# Allegro board 08_038702e.brd (continued)
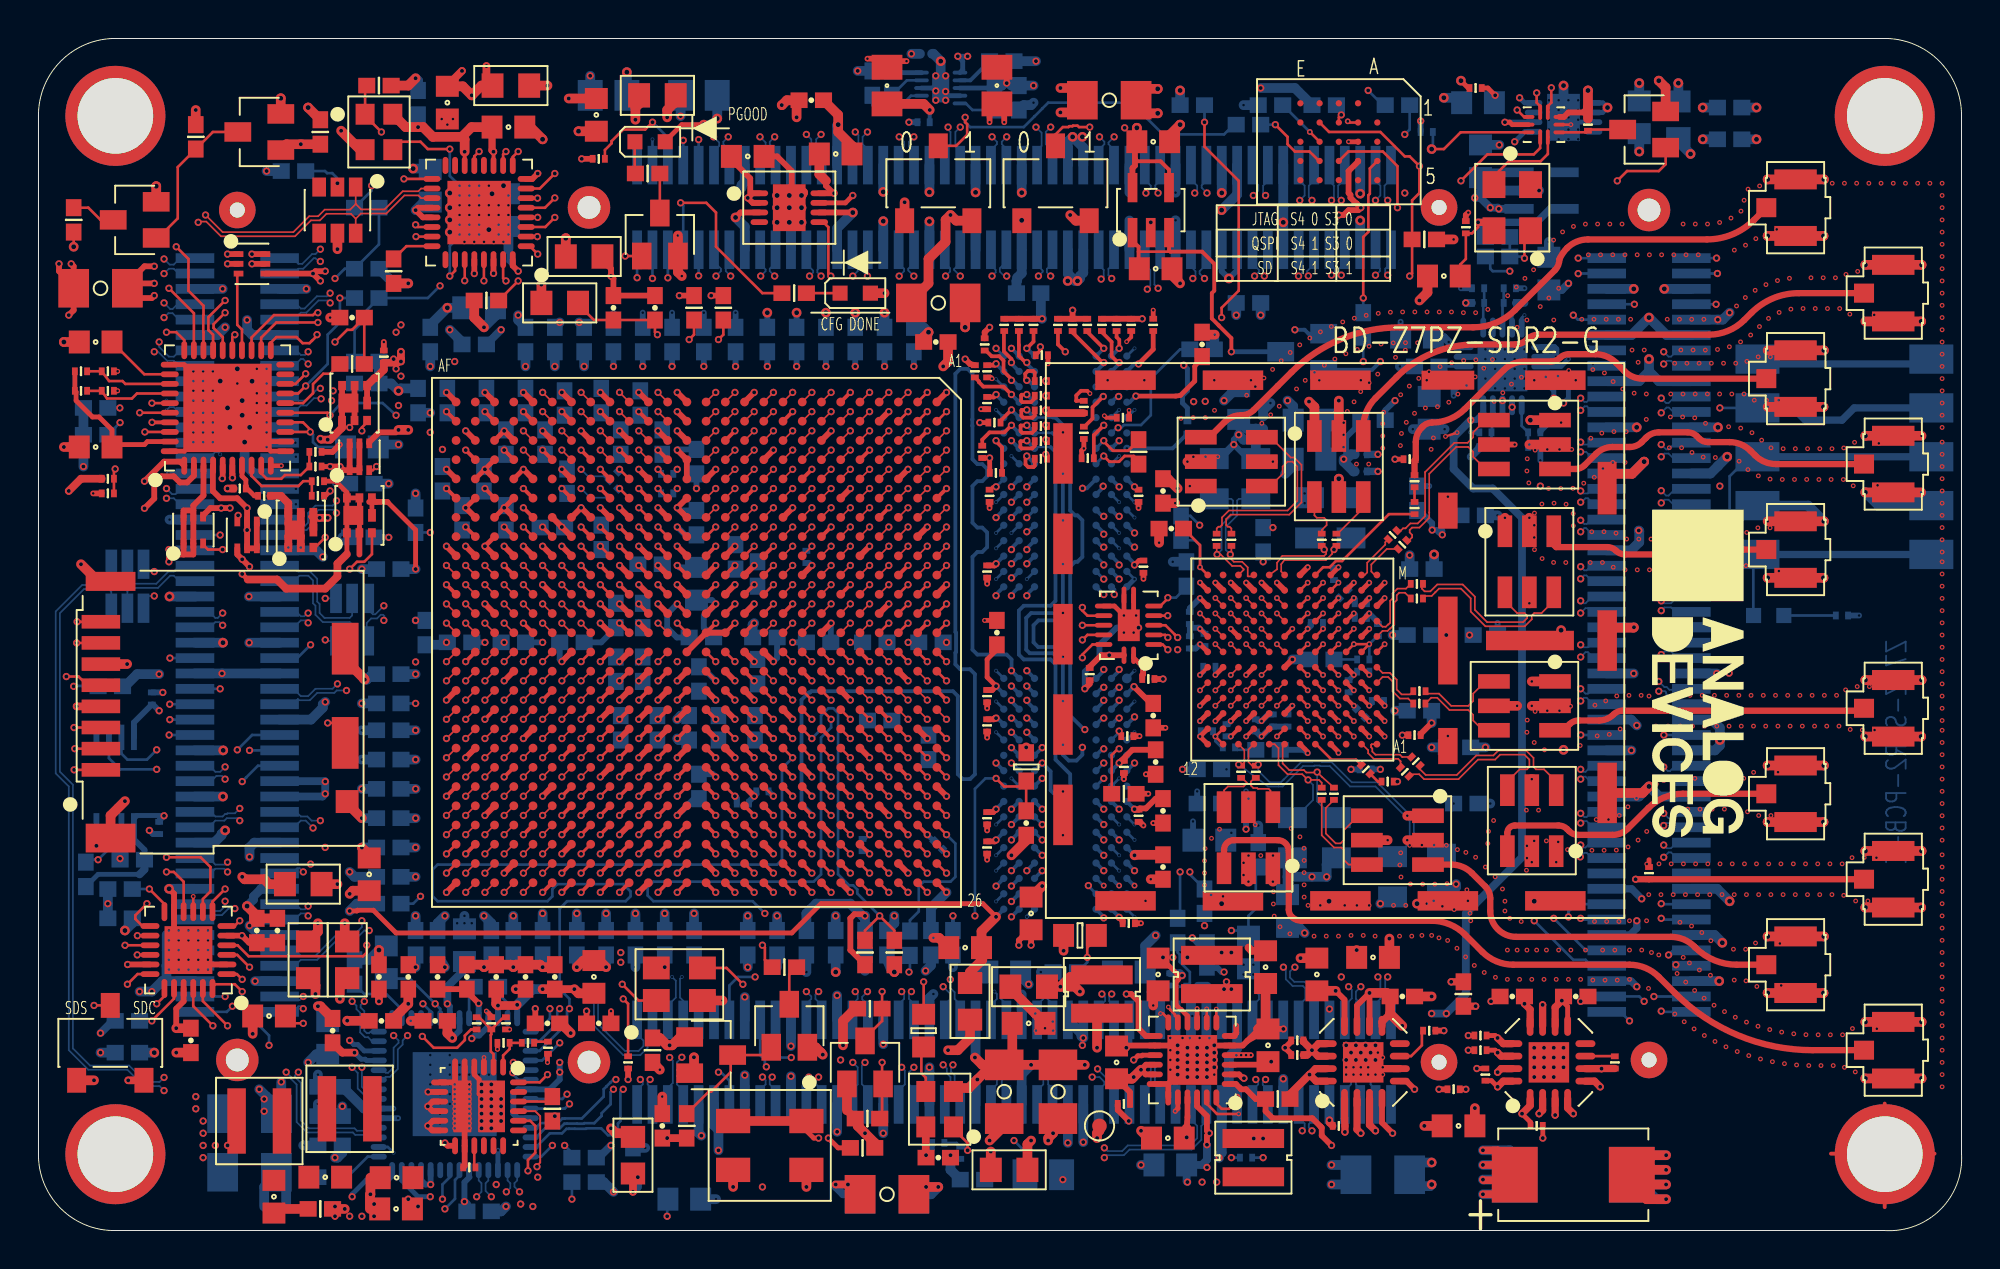
[diagram p0: board, top side]
## Routing (per net, layer and track width the routed paths; a pad name or vN(x,y) marks a point on that pad's centre or on a via; arc(x,y) is an arc through that point) (continued)
IO_L18_34_JX4_N: length 72.1
  TOP w0.089: U1.A7 v1(47.22,37.59)
  L6_SIG w0.089: v1(47.22,37.59) 47.06,37.43 46.8,37.43 46.74,37.5 46.74,37.75 46.94,37.95 47.57,37.95 48.21,37.32 49.43,37.32 49.81,37.7 50.29,37.7 50.45,37.54 51.53,37.54 51.69,37.7 57.73,37.7 58.49,36.94 60.16,36.94 60.24,37.02 60.52,37.02 60.6,36.94 70.05,36.94 71.32,35.67 72.67,35.67 72.75,35.59 72.77,35.59 75.74,32.62 77.54,32.62 77.78,32.39 77.78,31.46 77.54,31.22 75.64,31.22 75.11,30.69 75.11,29.34 75.64,28.81 79.19,28.81 79.43,28.58 79.43,27.52 79.19,27.29 75.64,27.29 75.11,26.76 75.11,26.11 75.64,25.58 77.67,25.58 77.9,25.35 77.9,24.6 77.67,24.37 75.36,24.37 74.98,23.98 74.98,23.1 75.36,22.71 77.01,22.71 77.4,22.33 77.4,20.3 77.78,19.92 78.54,19.92 78.92,20.3 78.92,23.22 79.3,23.6 80.06,23.6 v1(80.19,23.48)
  BOTTOM w0.089: v1(80.19,23.48) 80.32,23.6 80.44,23.6 80.68,23.37 JX4.70
IO_L18_34_JX4_P: length 72.2
  TOP w0.089: U1.B7 v1(46.22,37.59)
  L6_SIG w0.089: v1(46.22,37.59) 46.84,38.21 47.68,38.21 48.31,37.57 49.33,37.57 49.71,37.95 50.22,37.95 50.26,37.99 50.26,38.02 50.45,38.21 51.53,38.21 51.79,37.95 57.84,37.95 58.6,37.19 60.05,37.19 60.13,37.27 60.62,37.27 60.7,37.19 70.16,37.19 71.43,35.92 72.78,35.92 72.86,35.85 72.88,35.85 75.85,32.87 77.65,32.87 78.03,32.49 78.03,31.35 77.65,30.97 75.74,30.97 75.36,30.59 75.36,29.45 75.74,29.06 79.3,29.06 79.68,28.68 79.68,27.41 79.3,27.03 75.74,27.03 75.36,26.65 75.36,26.22 75.74,25.84 77.78,25.84 78.16,25.45 78.16,24.49 77.78,24.11 75.47,24.11 75.24,23.88 75.24,23.2 75.47,22.97 77.12,22.97 77.65,22.44 77.65,20.41 77.88,20.17 78.43,20.17 78.67,20.41 78.67,23.33 79.19,23.86 80.06,23.86 v1(80.19,23.98)
  BOTTOM w0.089: JX4.68 80.76,24.17 80.44,23.86 80.32,23.86 v1(80.19,23.98)
IO_L18_35_TX_D5_N: length 29.6
  TOP w0.089: v6(63.6,28.89) U17.F8 ; U1.A17 v1(47.22,26.59)
  L15_SIG w0.089: v6(63.6,28.89) 63.6,28.56 63.71,28.45 63.81,28.45 63.9,28.52 63.9,28.57 64.13,28.81 64.57,28.81 65.31,28.07 65.31,27.68 65.31,27.68 65.31,27.6 65.5,27.42 65.5,27.17 65.31,26.98 65.31,26.4 64.95,26.04 64.95,24.75 62.41,22.21 58.75,22.21 58.63,22.33 52.4,22.33 50.75,23.98 50.45,23.98 50.26,24.17 50.26,24.48 49.35,25.38 49.22,25.38 47.64,26.96 46.84,26.96 46.78,26.9 46.78,26.66 46.92,26.52 47.15,26.52 v1(47.22,26.59)
IO_L18_35_TX_D5_P: length 28.3
  TOP w0.089: v6(64.4,28.09) U17.E7 ; U1.B17 v1(46.22,26.59)
  L15_SIG w0.089: v6(64.4,28.09) 64.15,28.34 64.15,28.47 64.24,28.56 64.44,28.56 65.05,27.94 65.05,27.57 64.9,27.42 64.9,27.17 65.05,27.01 65.05,26.5 64.7,26.14 64.7,24.85 62.3,22.46 58.86,22.46 58.73,22.59 52.5,22.59 50.93,24.16 50.93,24.45 50.73,24.65 50.44,24.65 49.46,25.64 49.33,25.64 47.75,27.22 46.59,27.22 46.22,26.84 v1(46.22,26.59)
IO_L19_12_JX2_N: length 74.3
  TOP w0.089: U1.AA17 v1(26.22,26.59)
  L15_SIG w0.089: v1(26.22,26.59) 26.28,26.52 26.47,26.52 26.53,26.46 26.53,26.33 26.41,26.22 25.6,26.22 25.57,26.25 23.04,26.25 22.55,25.76 22.55,25.45 22.53,25.43 22.53,24.75 22.55,24.73 22.55,17.45 22.35,17.25 22.3,17.25 21.77,16.72 21.77,11.94 22.81,10.9 27.52,10.9 28.02,10.4 29.77,10.4 32.18,7.98 32.18,5.13 32.1,5.05 32.1,4.56 32.18,4.48 32.18,4.43 35.23,1.38 63.28,1.38 64.93,3.03 65.05,3.03 65.38,3.36 65.38,3.36 66.22,4.19 v1(66.22,5.19)
  BOTTOM w0.089: v1(66.22,5.19) 66.05,5.35 66.05,5.53 66.33,5.8 JX2.90
IO_L19_12_JX2_P: length 74.4
  TOP w0.089: U1.Y17 v1(27.22,26.59)
  L15_SIG w0.089: v1(65.71,5.19) 65.46,5.19 65.33,5.06 65.33,4.81 65.46,4.68 65.71,4.68 65.97,4.43 65.97,4.3 64.95,3.28 64.82,3.28 63.17,1.63 35.34,1.63 32.44,4.53 32.44,4.59 32.36,4.67 32.36,4.95 32.44,5.03 32.44,8.09 29.88,10.65 28.13,10.65 27.62,11.16 22.91,11.16 22.02,12.05 22.02,16.62 22.4,17 22.46,17 22.81,17.34 22.81,24.83 22.79,24.85 22.79,25.32 22.81,25.34 22.81,25.66 23.15,26 25.46,26 25.5,25.96 26.52,25.96 26.79,26.23 26.79,26.52 26.85,26.59 v1(27.22,26.59)
  BOTTOM w0.089: v1(65.71,5.19) 65.84,5.32 65.84,5.57 65.53,5.88 JX2.88
IO_L19_13_JX2_N: length 74
  TOP w0.089: U1.Y20 v1(27.22,23.59)
  L15_SIG w0.089: v1(27.22,23.59) 27.35,23.45 27.48,23.45 27.59,23.35 27.59,22.46 27.31,22.18 26.97,22.18 26.55,21.76 26.55,21.45 26.29,21.19 25.96,21.19 25.58,20.81 25.58,17.48 25.55,17.46 25.55,17.45 25.07,16.97 25.07,15.37 26.11,14.33 29.11,14.33 29.75,14.97 31.06,14.97 31.7,14.33 37.14,14.33 39.17,12.3 39.17,10.03 39.46,9.73 39.46,9.49 40.42,8.53 40.8,8.53 42.36,6.97 43.97,6.97 44.73,7.73 45.92,7.73 46.15,7.5 46.15,5.85 46.68,5.32 47.78,5.32 48.31,5.85 48.31,9.99 47.78,10.52 40.92,10.52 40.69,10.75 40.69,11.06 40.92,11.28 49.22,11.28 49.46,11.05 49.46,10.16 49.98,9.63 50.6,9.63 51.36,10.4 55.17,10.4 55.81,11.03 v1(55.81,12.3)
  BOTTOM w0.089: v1(55.81,12.3) 55.68,12.17 55.68,11.92 55.93,11.67 JX2.63
IO_L19_13_JX2_P: length 74
  TOP w0.089: U1.W20 v1(28.22,23.59)
  L15_SIG w0.089: v1(28.22,23.59) 27.84,23.22 27.84,22.36 27.41,21.92 27.08,21.92 26.88,21.73 26.88,21.42 26.4,20.94 26.07,20.94 25.83,20.7 25.83,17.38 25.81,17.35 25.81,17.34 25.33,16.86 25.33,15.48 26.21,14.59 29.01,14.59 29.64,15.22 31.17,15.22 31.8,14.59 37.24,14.59 39.42,12.41 39.42,10.13 39.72,9.84 39.72,9.59 40.52,8.79 40.9,8.79 42.47,7.22 43.87,7.22 44.63,7.98 46.03,7.98 46.41,7.6 46.41,5.95 46.79,5.57 47.68,5.57 48.06,5.95 48.06,9.89 47.68,10.27 40.81,10.27 40.44,10.64 40.44,11.17 40.81,11.54 49.33,11.54 49.71,11.16 49.71,10.27 50.09,9.89 50.49,9.89 51.25,10.65 55.06,10.65 55.55,11.14 55.55,11.41 55.3,11.67 55.04,11.67 54.92,11.79 54.92,11.92 54.98,11.98 55.36,11.98 55.42,12.05 55.42,12.17 v1(55.3,12.3)
  BOTTOM w0.089: JX2.61 55.13,11.61 55.46,11.94 55.46,12.14 v1(55.3,12.3)
IO_L19_33_JX1_N: length 73
  TOP w0.089: U1.L7 v1(37.22,37.59)
  L18_SIG w0.089: v1(37.22,37.59) 36.84,37.96 36.84,40.54 36.81,40.58 36.81,44.34 37.02,44.56 37.33,44.56 37.55,44.34 37.55,32.35 37.91,31.99 38.43,31.99 38.44,32 38.46,32 38.81,32.34 38.81,43.82 39.09,44.1 39.09,46.21 38.83,46.46 37.77,46.46 37.52,46.21 37.52,45.96 37.26,45.7 35.21,45.7 34.82,46.1 34.82,46.35 34.47,46.7 34.47,48.75 34.09,49.13 34.09,49.42 33.99,49.51 33.99,49.79 34.09,49.89 34.09,53.19 34.34,53.45 35.34,53.45 35.59,53.19 35.59,51.82 36.12,51.29 41.09,51.29 41.2,51.18 41.2,50.38 41.09,50.27 36.9,50.27 36.5,49.87 36.5,49.28 35.82,48.6 35.82,47.63 36.35,47.1 37.61,47.1 37.63,47.08 38.17,47.08 38.55,47.46 38.55,48.45 38.04,48.96 38.04,49.4 v1(38.28,49.64)
  BOTTOM w0.089: v1(38.28,49.64) 38.03,49.89 38.03,50.02 38.33,50.32 JX1.20
IO_L19_33_JX1_P: length 73
  TOP w0.089: U1.M7 v1(36.22,37.59)
  L18_SIG w0.089: v1(36.22,37.59) 36.59,37.96 36.59,40.44 36.55,40.47 36.55,44.45 36.92,44.81 37.44,44.81 37.81,44.45 37.81,32.45 38.02,32.24 38.32,32.24 38.33,32.25 38.35,32.25 38.55,32.45 38.55,43.73 38.53,43.75 38.53,43.9 38.83,44.2 38.83,46.1 38.73,46.21 37.88,46.21 37.77,46.1 37.77,45.85 37.37,45.45 35.1,45.45 34.56,45.99 34.56,46.24 34.22,46.59 34.22,48.64 33.83,49.03 33.83,49.31 33.74,49.41 33.74,49.9 33.83,50 33.83,53.3 34.24,53.7 35.44,53.7 35.85,53.3 35.85,51.92 36.23,51.54 41.2,51.54 41.45,51.29 41.45,50.27 41.2,50.02 37.01,50.02 36.76,49.77 36.76,49.18 36.07,48.5 36.07,47.73 36.45,47.35 37.71,47.35 37.73,47.33 38.06,47.33 38.3,47.57 38.3,48.35 37.79,48.86 37.79,49.4 v1(37.56,49.64)
  BOTTOM w0.089: JX1.18 37.53,50.26 37.81,49.98 37.81,49.89 v1(37.56,49.64)
IO_L19_34_JX4_N: length 73.3
  TOP w0.089: U1.C3 v1(45.22,41.59)
  L6_SIG w0.089: v1(45.22,41.59) 45.59,41.22 49.45,41.22 49.65,41.41 52.19,41.41 52.24,41.47 52.52,41.47 52.73,41.26 55.04,41.26 55.2,41.41 57.17,41.41 57.33,41.26 60.76,41.26 61.9,42.4 63.04,42.4 63.93,41.51 74.45,41.51 75.21,40.75 77.5,40.75 78.14,41.38 79.58,41.38 79.83,41.64 81.44,41.64 81.7,41.37 83.75,41.37 84.01,41.64 85.14,41.64 85.4,41.38 87.15,41.38 87.16,41.37 87.5,41.37 87.51,41.38 88.95,41.38 89.33,41 89.33,21.7 88.7,21.06 v1(84.51,21.06)
  BOTTOM w0.089: JX4.75 85.11,20.97 84.89,21.19 84.63,21.19 v1(84.51,21.06)
IO_L19_34_JX4_P: length 73.2
  TOP w0.089: U1.C4 v1(45.22,40.59)
  L6_SIG w0.089: v1(45.22,40.59) 45.59,40.96 49.43,40.96 49.65,40.74 52.5,40.74 52.76,41 54.99,41 55.25,40.74 57.13,40.74 57.39,41 60.86,41 62.01,42.15 62.94,42.15 63.83,41.26 74.35,41.26 75.11,40.49 77.61,40.49 78.24,41.13 79.68,41.13 79.94,41.38 81.33,41.38 81.6,41.12 83.85,41.12 84.12,41.38 85.04,41.38 85.29,41.13 87.05,41.13 87.06,41.12 87.6,41.12 87.61,41.13 88.85,41.13 89.08,40.9 89.08,21.8 88.59,21.32 85.27,21.32 85.14,21.44 85.14,21.83 85.02,21.95 84.76,21.95 v1(84.51,21.7)
  BOTTOM w0.089: JX4.73 85.22,21.77 84.89,21.44 84.76,21.44 v1(84.51,21.7)
IO_L19_35_CTRL_OUT0: length 27.6
  TOP w0.14: U1.D13 v1(44.22,31.59) ; v6(67.6,27.29) U17.D4
  L14_SIG w0.095: v6(67.6,27.29) 67.22,27.29 66.92,27.59 66.8,27.59 66.3,28.1 66.3,28.22 66.12,28.39 66,28.39 65.71,28.68 64.61,28.68 64.52,28.59 59.11,28.59 58.61,29.09 58.61,29.18 57.33,30.46 55.93,30.46 55.91,30.48 55.45,30.48 55.42,30.46 55.3,30.46 54.62,29.78 54.62,29.65 54.42,29.45 54.28,29.45 54.28,29.45 52.25,29.45 51.77,29.93 47.19,29.93 46.41,30.72 45.57,30.72 45.36,30.93 44.88,30.93 v1(44.22,31.59)
IO_L19_35_CTRL_OUT1: length 25.6
  TOP w0.14: v6(67.6,28.09) U17.E4 ; U1.C13 v1(45.22,31.59)
  L14_SIG w0.095: v6(67.6,28.09) 67.22,28.09 66.92,28.39 66.76,28.39 66.3,28.86 66.3,29.02 66.12,29.19 65.96,29.19 65.84,29.32 58.85,29.32 58.53,29.65 58.49,29.65 58.16,29.97 58.16,30.01 57.49,30.68 57.11,30.68 57.08,30.72 54.92,30.72 54.49,30.29 53.46,30.29 53.42,30.33 48.06,30.33 47.3,31.1 45.71,31.1 v1(45.22,31.59)
IO_L20_12_JX2_N: length 72.6
  TOP w0.089: U1.AB16 v1(25.22,27.59)
  L14_SIG w0.089: v1(25.22,27.59) 25.59,27.22 26.54,27.22 26.88,26.88 26.88,26.45 27.08,26.25 27.48,26.25 27.81,25.93 27.81,19.32 27.95,19.18 28.46,19.18 28.88,18.76 28.88,18.45 29.15,18.18 46.46,18.18 46.88,17.76 46.88,17.45 47.37,16.96 47.8,16.96 48.14,16.61 48.14,16.28 49.2,15.22 49.58,14.84 50.14,14.84 50.73,15.43 52.61,15.43 52.82,15.22 53.9,15.22 54.28,14.84 58.35,14.84 58.73,15.22 58.73,18.27 58.6,18.4 58.6,20.3 58.98,20.68 61.65,20.68 62.16,20.17 65.33,20.17 65.71,19.79 65.71,18.27 66.09,17.89 67.85,17.89 68.38,17.36 68.38,16.39 67.85,15.86 65.33,15.86 64.95,15.48 64.95,14.33 64.99,14.29 64.99,14.04 v1(65.33,13.7)
  BOTTOM w0.089: v1(65.33,13.7) 65.3,13.7 65.08,13.47 65.08,13.16 65.3,12.94 65.84,12.94 66.09,12.68 66.09,12.05 66.33,11.81 JX2.89
IO_L20_12_JX2_P: length 72.6
  TOP w0.089: U1.AB17 v1(25.22,26.59)
  L14_SIG w0.089: v1(64.73,13.7) 64.73,14.19 64.7,14.23 64.7,15.58 65.22,16.11 67.74,16.11 68.12,16.49 68.12,17.25 67.74,17.63 65.99,17.63 65.46,18.16 65.46,19.69 65.22,19.92 62.05,19.92 61.54,20.43 59.09,20.43 58.85,20.2 58.85,18.5 58.98,18.37 58.98,15.12 58.45,14.59 54.18,14.59 53.79,14.97 52.71,14.97 52.5,15.18 50.84,15.18 50.25,14.59 49.48,14.59 49.21,14.85 49.02,15.04 47.89,16.18 47.89,16.5 47.69,16.7 47.27,16.7 46.62,17.34 46.62,17.66 46.35,17.93 29.04,17.93 28.62,18.34 28.62,18.66 28.35,18.93 27.84,18.93 27.55,19.22 27.55,25.82 27.38,26 26.97,26 26.62,26.34 26.62,26.77 26.43,26.96 25.48,26.96 25.37,27.08 25.11,27.08 25.05,27.01 25.05,26.75 v1(25.22,26.59)
  BOTTOM w0.089: JX2.87 65.53,11.7 65.88,12.05 65.88,12.59 65.75,12.72 65.21,12.72 64.86,13.07 64.86,13.57 v1(64.73,13.7)
IO_L20_13_JX2_N: length 72.9
  TOP w0.089: U1.AB20 v1(25.22,23.59)
  L15_SIG w0.089: v1(55.07,8.41) 55.81,7.67 55.81,5.82 55.42,5.44 50.73,5.44 50.34,5.06 50.34,4.3 50.73,3.92 52.76,3.92 53.14,3.54 53.14,3 52.54,2.39 47.14,2.39 46.93,2.6 46.01,2.6 45.82,2.41 45.82,2.4 45.81,2.39 42.62,2.39 42.24,2.78 35.36,2.78 32.95,5.19 32.95,6.97 33.33,7.35 33.71,7.35 34.22,6.84 34.72,6.84 34.98,7.09 34.98,7.2 35.99,8.21 35.99,9.66 35.47,10.18 35.16,10.18 34.57,10.78 30.66,10.78 29.47,11.96 25.56,11.96 25.33,12.2 25.33,12.7 25.09,12.94 23.04,12.94 22.53,13.44 22.53,16.6 23.06,17.13 23.32,17.13 23.55,17.36 23.55,17.73 23.55,17.73 23.55,18.44 23.55,18.45 23.55,18.73 23.55,18.73 23.55,19.44 23.55,19.45 23.55,19.73 23.55,19.73 23.55,20.44 23.55,20.45 23.55,20.73 23.55,20.73 23.55,21.44 23.55,21.45 23.55,21.83 23.93,22.21 25.31,22.21 25.59,22.49 25.59,23.22 v1(25.22,23.59)
  BOTTOM w0.089: v1(55.07,8.41) 55.07,8.39 55.64,7.82 55.64,7.66 55.93,7.38 JX2.64
IO_L20_13_JX2_P: length 72.9
  TOP w0.089: U1.AA20 v1(26.22,23.59)
  L15_SIG w0.089: v1(54.79,7.98) 54.54,7.73 54.54,7.47 54.67,7.34 55.04,7.34 55.1,7.41 55.1,7.66 55.22,7.77 55.34,7.77 55.55,7.57 55.55,5.93 55.32,5.7 50.62,5.7 50.09,5.17 50.09,4.19 50.62,3.66 52.65,3.66 52.88,3.43 52.88,3.1 52.43,2.65 47.24,2.65 47.03,2.86 45.91,2.86 45.7,2.65 42.72,2.65 42.34,3.03 35.46,3.03 33.2,5.29 33.2,6.86 33.43,7.09 33.6,7.09 34.11,6.59 34.83,6.59 35.23,6.99 35.23,7.09 36.25,8.11 36.25,9.76 35.57,10.43 35.27,10.43 34.67,11.03 30.76,11.03 29.58,12.22 25.66,12.22 25.58,12.3 25.58,12.81 25.2,13.19 23.14,13.19 22.79,13.55 22.79,16.49 23.17,16.87 23.42,16.87 23.81,17.25 23.81,17.83 23.8,17.84 23.8,18.34 23.81,18.34 23.81,18.83 23.8,18.84 23.8,19.34 23.81,19.34 23.81,19.83 23.8,19.84 23.8,20.34 23.81,20.34 23.81,20.83 23.8,20.84 23.8,21.34 23.81,21.34 23.81,21.72 24.03,21.95 25.41,21.95 25.84,22.38 25.84,23.31 25.96,23.43 26.05,23.43 v1(26.22,23.59)
  BOTTOM w0.089: JX2.62 55.13,7.3 55.42,7.6 55.42,7.73 55.17,7.98 v1(54.79,7.98)
IO_L20_33_JX1_N: length 72.1
  TOP w0.089: U1.J5 v1(39.22,39.59)
  L3_SIG w0.089: v1(40.69,57) 40.44,56.75 40.44,55.2 40.67,54.97 41.58,54.97 41.96,54.59 41.96,54.19 41.96,54.19 41.96,53.7 41.96,53.7 41.96,53.13 41.94,53.11 41.94,52.77 42.18,52.54 42.51,52.54 42.72,52.76 43.27,52.76 43.66,53.15 44.89,53.15 44.9,53.14 45.18,53.14 45.18,53.15 45.72,53.15 45.98,53.4 50.75,53.4 50.79,53.45 54.41,53.45 54.79,53.83 54.79,54.85 55.17,55.23 61.65,55.23 62.03,55.61 62.03,57.01 62.4,57.39 62.93,57.39 63.3,57.01 63.3,54.46 62.79,53.96 62.79,53.52 63,53.31 63,52.99 63.43,52.57 63.43,52.18 63.04,51.8 46.28,51.8 43.34,48.85 41.96,48.85 41.71,48.6 41.71,46.21 39.85,44.35 39.5,44.35 38.88,43.73 38.88,39.92 v1(39.22,39.59)
  BOTTOM w0.089: v1(40.69,57) 40.44,56.75 40.44,56.5 40.73,56.21 JX1.25
IO_L20_33_JX1_P: length 72.1
  TOP w0.089: U1.K5 v1(38.22,39.59)
  L3_SIG w0.089: v1(38.22,39.59) 38.62,40 38.62,43.83 39.39,44.6 39.74,44.6 41.45,46.31 41.45,48.71 41.86,49.11 43.23,49.11 46.17,52.05 62.94,52.05 63.17,52.28 63.17,52.46 62.75,52.89 62.75,53.21 62.54,53.42 62.54,54.06 63.04,54.57 63.04,56.91 62.82,57.13 62.51,57.13 62.28,56.91 62.28,55.5 61.75,54.97 55.28,54.97 55.04,54.74 55.04,53.72 54.51,53.19 50.9,53.19 50.85,53.15 46.09,53.15 45.83,52.89 45.29,52.89 45.28,52.89 44.79,52.89 44.79,52.89 43.76,52.89 43.37,52.5 42.83,52.5 42.61,52.29 42.07,52.29 41.69,52.67 41.69,53.21 41.71,53.23 41.71,53.8 41.71,54.08 41.71,54.09 41.71,54.49 41.48,54.72 40.57,54.72 40.18,55.1 40.18,56.75 v1(39.93,57)
  BOTTOM w0.089: v1(39.93,57) 40.18,56.75 40.18,56.5 39.93,56.24 JX1.23
IO_L20_34_JX4_N: length 73.4
  TOP w0.089: U1.B4 v1(46.22,40.59)
  L6_SIG w0.089: v1(46.22,40.59) 46.59,40.22 48.14,40.22 48.37,39.99 49.17,39.99 49.32,39.84 49.59,39.84 49.74,39.99 50.41,39.99 50.45,39.94 51.53,39.94 51.58,39.99 55.21,39.99 55.25,39.94 58.22,39.94 58.49,40.22 59.11,40.22 59.47,39.86 61.38,39.86 61.74,40.22 66.86,40.22 67.32,39.75 68.74,39.75 69.52,38.97 76.89,38.97 77.4,39.48 78.75,39.48 79.17,39.05 81.5,39.05 83.02,37.54 84.2,37.54 84.24,37.5 85.27,37.5 85.65,37.12 85.65,36.03 85.27,35.65 84.11,35.65 83.87,35.41 83.87,33.89 84.25,33.51 85.78,33.51 86.16,33.13 86.16,31.6 85.78,31.22 83.72,31.22 83.49,30.99 83.49,29.68 83.72,29.45 86.39,29.45 86.92,28.92 86.92,26.67 86.39,26.14 84.25,26.14 83.87,25.76 83.87,23.88 81.11,21.12 80.55,21.12 80.48,21.19 v1(80.19,21.19)
  BOTTOM w0.089: JX4.76 80.83,20.97 80.51,21.29 80.29,21.29 v1(80.19,21.19)
IO_L20_34_JX4_P: length 73.4
  TOP w0.089: U1.B5 v1(46.22,39.59)
  L6_SIG w0.089: v1(80.19,21.7) 80.44,21.44 81.08,21.44 83.62,23.98 83.62,25.87 84.15,26.4 86.29,26.4 86.67,26.78 86.67,28.81 86.29,29.19 83.62,29.19 83.24,29.57 83.24,31.1 83.62,31.48 85.67,31.48 85.9,31.71 85.9,33.02 85.67,33.26 84.15,33.26 83.62,33.79 83.62,35.52 84,35.9 85.16,35.9 85.4,36.14 85.4,37.02 85.16,37.25 84.14,37.25 84.1,37.29 82.91,37.29 81.4,38.8 79.07,38.8 78.64,39.22 77.5,39.22 76.99,38.72 69.42,38.72 68.63,39.5 67.22,39.5 66.75,39.96 61.84,39.96 61.49,39.61 59.36,39.61 59.01,39.96 58.6,39.96 58.33,39.69 55.15,39.69 55.1,39.73 51.68,39.73 51.64,39.69 50.35,39.69 50.3,39.73 49.85,39.73 49.7,39.59 49.21,39.59 49.06,39.73 48.27,39.73 48.04,39.96 46.48,39.96 46.31,40.14 46.05,40.14 45.9,39.99 45.9,39.9 v1(46.22,39.59)
  BOTTOM w0.089: JX4.74 80.77,21.77 80.51,21.51 80.38,21.51 v1(80.19,21.7)
IO_L20_35_CTRL_OUT2: length 27.6
  TOP w0.14: v6(66.8,28.09) U17.E5 ; U1.C14 v1(45.22,29.59)
  L17_SIG w0.095: v1(45.22,29.59) 45.25,29.59 45.65,29.19 45.65,28.56 46.03,28.18 47.68,28.18 48.19,27.67 48.19,27.03 48.84,26.37 49.59,26.37 49.65,26.31 49.93,26.31 50,26.37 50.39,26.37 50.45,26.31 50.73,26.31 50.8,26.37 51.19,26.37 51.25,26.31 51.53,26.31 51.6,26.37 54.12,26.37 54.14,26.39 54.55,26.39 54.75,26.2 54.75,26.19 55.29,25.64 57.15,25.64 57.79,26.27 60.19,26.27 60.27,26.19 66.12,26.19 66.3,26.37 66.3,26.48 66.81,26.99 66.92,26.99 67.1,27.17 67.1,27.28 67.17,27.34 67.17,27.72 v6(66.8,28.09)
IO_L20_35_CTRL_OUT3: length 22.6
  TOP w0.14: v6(66,28.09) U17.E6 ; U1.B14 v1(46.22,29.59)
  L17_SIG w0.095: v1(46.22,29.59) 46.26,29.59 46.79,29.06 47.93,29.06 49.07,27.92 53.65,27.92 54.41,28.68 56.24,28.68 56.63,28.3 56.63,28.15 56.83,27.95 56.83,27.95 56.95,27.84 60.14,27.84 60.19,27.79 65.7,27.79 v6(66,28.09)
IO_L21_12_JX2_N: length 73.8
  TOP w0.089: U1.AC16 v1(24.22,27.59)
  L6_SIG w0.089: v1(24.22,27.59) 24.62,27.18 26.46,27.18 26.81,26.83 26.81,26.52 27.08,26.25 29.39,26.25 29.44,26.2 29.81,25.83 29.81,25.45 30.08,25.18 30.46,25.18 30.81,24.83 30.81,24.45 31.08,24.18 31.46,24.18 31.81,23.83 31.81,23.45 32.08,23.18 32.46,23.18 32.81,22.83 32.81,22.45 33.08,22.18 33.46,22.18 33.81,21.83 33.81,21.45 35.08,20.18 35.46,20.18 35.81,19.83 35.81,19.45 36.08,19.18 36.46,19.18 36.81,18.83 36.81,18.45 37.01,18.25 47.55,18.25 48.54,17.25 49.46,17.25 49.65,17.45 49.93,17.45 50.13,17.25 50.26,17.25 50.45,17.45 50.73,17.45 50.93,17.25 55.32,17.25 55.54,17.48 55.84,17.48 56.06,17.25 57.46,17.25 57.84,17.63 58.98,17.63 59.36,17.25 59.36,15.27 59.74,14.88 60.14,14.88 60.35,15.09 62.03,15.09 62.41,15.48 62.41,16.62 62.79,17 63.58,17 64.06,16.52 64.06,15.2 64.29,14.97 64.97,14.97 65.2,15.2 65.2,17.63 65.58,18.02 66.09,18.02 66.47,17.63 66.47,17 66.85,16.62 70.03,16.62 70.41,16.24 70.41,15.86 70.03,15.48 68.73,15.48 68.68,15.52 68.4,15.52 68.36,15.48 66.85,15.48 66.47,15.09 66.47,14.31 66.71,14.08 68.38,14.08 68.76,13.7 v1(68.76,12.68)
  BOTTOM w0.089: JX2.95 68.73,11.82 68.51,12.05 68.51,12.43 v1(68.76,12.68)
IO_L21_12_JX2_P: length 73.8
  TOP w0.089: U1.AC17 v1(24.22,26.59)
  L6_SIG w0.089: v1(24.22,26.59) 24.55,26.93 26.35,26.93 26.55,26.73 26.55,26.42 26.97,26 29.26,26 29.34,25.93 29.35,25.93 29.55,25.73 29.55,25.35 29.97,24.93 30.35,24.93 30.55,24.73 30.55,24.35 30.97,23.93 31.35,23.93 31.55,23.73 31.55,23.35 31.97,22.93 32.35,22.93 32.55,22.73 32.55,22.35 32.97,21.93 33.35,21.93 33.55,21.73 33.55,21.35 34.97,19.93 35.35,19.93 35.55,19.73 35.55,19.35 35.97,18.93 36.35,18.93 36.55,18.73 36.55,18.35 36.9,18 47.44,18 48.44,17 49.43,17 49.65,16.78 49.93,16.78 50.15,17 50.23,17 50.45,16.78 50.73,16.78 50.95,17 55.29,17 55.54,16.75 55.84,16.75 56.09,17 57.56,17 57.94,17.38 58.87,17.38 59.11,17.15 59.11,15.16 59.64,14.63 60.24,14.63 60.45,14.84 62.13,14.84 62.66,15.37 62.66,16.51 62.9,16.75 63.48,16.75 63.81,16.42 63.81,15.09 64.19,14.71 65.08,14.71 65.46,15.09 65.46,17.53 65.69,17.76 65.99,17.76 66.22,17.53 66.22,16.89 66.75,16.36 69.92,16.36 70.16,16.13 70.16,15.96 69.92,15.73 68.83,15.73 68.79,15.77 68.3,15.77 68.25,15.73 66.75,15.73 66.22,15.2 66.22,14.21 66.6,13.82 68.27,13.82 68.51,13.59 68.51,13.57 68.38,13.44 68.38,13.32 68.51,13.19 68.51,13.06 68.38,12.94 68.38,12.81 68.25,12.68 v1(68.12,12.68)
  BOTTOM w0.089: JX2.93 67.93,11.71 68.29,12.07 68.29,12.52 v1(68.12,12.68)
IO_L21_13_JX2_N: length 72.2
  TOP w0.089: U1.AC19 v1(24.22,24.59)
  L14_SIG w0.089: v1(24.22,24.59) 24.54,24.59 24.62,24.51 24.62,21.34 25.04,20.93 25.35,20.93 25.55,20.73 25.55,17.15 25.83,16.87 26.47,16.87 27.61,15.73 31.32,15.73 31.82,15.22 38.75,15.22 39.89,14.08 46.28,14.08 46.97,13.39 47.56,13.39 47.75,13.2 47.75,12.45 48.28,11.92 53.29,11.92 53.52,11.69 53.52,7.73 53.9,7.35 61.01,7.35 61.9,8.24 61.9,9.61 62.13,9.84 63.93,9.84 64.31,10.22 64.31,10.98 63.93,11.36 61.8,11.36 61.27,10.83 61.27,10.46 61.03,10.22 56.94,10.22 56.56,10.61 56.56,11.27 56.94,11.65 57.82,11.65 58.09,11.92 58.09,12.81 v3(58.35,13.06)
  L19_GND w0.089: v4(58.22,12.43) 58.22,12.94 v3(58.35,13.06)
  BOTTOM w0.089: v4(58.22,12.43) 58.05,12.26 58.05,12.05 58.33,11.77 JX2.69
IO_L21_13_JX2_P: length 72.3
  TOP w0.089: U1.AC18 v1(24.22,25.59)
  L14_SIG w0.089: v3(57.58,13.06) 57.84,12.81 57.84,12.02 57.71,11.9 56.84,11.9 56.31,11.37 56.31,10.5 56.84,9.97 61.14,9.97 61.52,10.35 61.52,10.73 61.9,11.11 63.83,11.11 64.06,10.87 64.06,10.33 63.83,10.1 62.03,10.1 61.65,9.72 61.65,8.34 60.91,7.6 54.01,7.6 53.77,7.83 53.77,11.79 53.39,12.17 48.39,12.17 48.01,12.55 48.01,13.3 47.66,13.65 47.07,13.65 46.39,14.33 40,14.33 38.86,15.48 31.93,15.48 31.42,15.98 27.72,15.98 26.57,17.13 25.94,17.13 25.81,17.26 25.81,20.83 25.46,21.18 25.15,21.18 24.88,21.45 24.88,24.93 v1(24.22,25.59)
  L19_GND w0.089: v4(57.71,12.43) 57.71,12.94 v3(57.58,13.06)
  BOTTOM w0.089: v4(57.71,12.43) 57.84,12.3 57.84,12.05 57.53,11.74 JX2.67
IO_L21_33_JX1_N: length 73.8
  TOP w0.089: U1.L8 v1(37.22,36.59)
  L3_SIG w0.089: v1(37.22,36.59) 36.84,36.22 36.84,35.43 37.1,35.18 45.28,35.18 45.55,35.45 45.55,42.93 45.48,43 44.95,43 44.88,42.93 44.88,37.45 44.88,37.44 44.88,36.73 44.88,36.73 44.88,36.45 44.88,36.44 44.88,36.33 44.55,36 44.38,36 44.38,36 43.97,36 43.62,36.34 43.62,36.39 43.61,36.4 43.61,39.88 43.51,39.99 42.96,39.99 42.85,39.88 42.85,36.4 42.81,36.36 42.81,36.34 42.46,36 41.97,36 41.62,36.34 41.62,38.83 41.46,39 41.08,39 40.82,38.74 40.82,36.4 40.81,36.39 40.81,36.34 40.46,36 37.97,36 37.62,36.34 37.62,43.88 38.66,44.92 38.66,51.01 39.57,51.92 43.72,51.92 44.12,51.52 44.12,51.06 43.72,50.65 40.8,50.65 40.57,50.42 40.57,49.77 v1(40.69,49.64)
  BOTTOM w0.089: JX1.26 40.73,50.18 40.5,49.96 40.5,49.83 v1(40.69,49.64)
IO_L21_33_JX1_P: length 73.9
  TOP w0.089: U1.M8 v1(36.22,36.59)
  L3_SIG w0.089: v1(40.09,49.64) 40.31,49.86 40.31,50.53 40.69,50.91 43.61,50.91 43.87,51.16 43.87,51.42 43.61,51.67 39.68,51.67 38.91,50.91 38.91,44.81 37.88,43.78 37.88,36.45 38.08,36.25 40.35,36.25 40.55,36.45 40.55,36.49 40.57,36.51 40.57,38.85 40.97,39.25 41.57,39.25 41.88,38.94 41.88,36.45 42.08,36.25 42.35,36.25 42.55,36.45 42.55,36.46 42.6,36.51 42.6,39.99 42.85,40.24 43.61,40.24 43.87,39.99 43.87,36.51 43.88,36.49 43.88,36.45 44.08,36.25 44.38,36.25 44.62,36.5 44.62,36.83 44.63,36.84 44.63,37.34 44.62,37.34 44.62,43.03 44.84,43.25 45.59,43.25 45.81,43.03 45.81,35.34 45.39,34.92 36.99,34.92 36.59,35.33 36.59,36.22 v1(36.22,36.59)
  BOTTOM w0.089: v1(40.09,49.64) 40.29,49.83 40.29,49.92 39.93,50.28 JX1.24
IO_L21_34_JX4_N: length 73.4
  TOP w0.089: U1.A5 v1(47.22,39.59)
  L18_SIG w0.089: v1(47.22,39.59) 46.69,39.59 46.35,39.92 45.96,39.92 45.9,39.99 45.81,40.08 45.81,43.6 45.83,43.62 45.88,43.67 45.88,43.73 46.15,44 46.15,45.55 45.65,46.06 45.65,46.74 47.53,48.62 54.28,48.62 54.66,48.24 58.62,48.24 58.85,48.01 58.85,46.97 59.49,46.34 62.28,46.34 65.46,43.16 65.46,42.65 67.11,41 70.79,41 71.3,40.49 71.3,39.61 73.33,37.57 73.33,32.6 72.19,31.46 72.19,29.85 74.29,27.74 74.29,24.11 74.68,23.73 76.9,23.73 77.28,23.35 77.28,22.71 77.66,22.33 80.08,22.33 81.33,21.09 81.33,20.58 82.12,19.79 83.87,19.79 84.13,19.54 84.13,19.29 84.19,19.22 84.32,19.22 v1(84.51,19.41)
  BOTTOM w0.089: v1(84.51,19.41) 84.76,19.67 84.89,19.67 85.18,19.37 JX4.79
IO_L21_34_JX4_P: length 73.5
  TOP w0.089: U1.B6 v1(46.22,38.59)
  L18_SIG w0.089: v1(46.22,38.59) 46.22,39.11 45.85,39.47 45.85,39.67 45.55,39.97 45.55,43.74 45.63,43.81 45.63,43.84 45.68,43.89 45.9,44.11 45.9,45.45 45.39,45.96 45.39,46.84 47.42,48.88 54.39,48.88 54.77,48.5 58.73,48.5 59.11,48.11 59.11,47.08 59.59,46.59 62.39,46.59 65.71,43.27 65.71,42.76 67.21,41.26 70.9,41.26 71.55,40.6 71.55,39.71 73.59,37.68 73.59,32.49 72.44,31.35 72.44,29.95 74.55,27.85 74.55,24.22 74.78,23.98 77,23.98 77.53,23.45 77.53,22.82 77.77,22.59 80.19,22.59 81.59,21.19 81.59,20.68 82.22,20.05 v1(84.51,20.05)
  BOTTOM w0.089: v1(84.51,20.05) 84.67,19.88 84.89,19.88 85.18,20.17 JX4.77
IO_L21_35_CTRL_OUT4: length 23.6
  TOP w0.14: U1.A15 v1(47.22,28.59) ; v6(66,28.89) U17.F6
  L17_SIG w0.095: v6(66,28.89) 66.37,28.52 66.37,27.56 66.3,27.49 66.3,27.17 66.12,26.99 60.25,26.99 60.21,27.03 57.96,27.03 57.71,27.29 56.38,27.29 56.33,27.24 55.25,27.24 55.2,27.29 53.32,27.29 52.94,26.91 51.62,26.91 51.53,26.99 51.25,26.99 51.17,26.91 50.82,26.91 50.73,26.99 50.45,26.99 50.37,26.91 50.02,26.91 49.93,26.99 49.5,26.99 49.2,27.29 49.2,27.48 48.09,28.59 v1(47.22,28.59)
IO_L21_35_CTRL_OUT5: length 22.9
  TOP w0.14: v6(66.8,28.89) U17.F5 ; U1.A14 v1(47.22,29.59)
  L17_SIG w0.095: v1(47.22,29.59) 48.3,29.59 49.11,28.77 53.9,28.77 54.71,29.58 55.53,29.58 55.54,29.58 56.27,29.58 56.53,29.32 56.53,28.97 56.73,28.77 57.2,28.77 57.67,28.3 59.62,28.3 59.9,28.59 64.52,28.59 64.74,28.81 65.08,28.81 65.58,29.32 66.37,29.32 v6(66.8,28.89)
IO_L22_12_JX2_N: length 74.1
  TOP w0.089: U1.AA14 v1(26.22,29.59)
  L17_SIG w0.089: v1(26.22,29.59) 26.59,29.22 26.78,29.22 26.81,29.19 29.45,29.19 29.81,28.83 29.81,28.37 30,28.18 31.46,28.18 31.81,27.83 31.81,27.34 31.8,27.34 31.8,26.84 31.81,26.83 31.81,26.35 31.91,26.25 40.44,26.25 40.88,25.81 40.88,25.45 41.08,25.25 41.44,25.25 41.88,24.81 41.88,24.45 42.08,24.25 42.44,24.25 42.88,23.81 42.88,23.45 43.08,23.25 47.35,23.25 47.45,23.35 48.82,23.35 49.07,23.1 60.36,23.1 60.74,22.71 60.74,22.59 61.12,22.21 62.05,22.21 62.43,22.59 71.3,22.59 71.68,22.21 71.68,20.05 72.06,19.67 72.06,18.14 71.68,17.76 71.28,17.76 71.05,17.53 71.05,14.33 70.66,13.95 67.59,13.95 66.47,12.83 66.47,11.01 67.36,10.12 67.36,8.85 67.72,8.49 68.27,8.49 68.57,8.19 68.57,8 68.76,7.81 v3(68.76,7.47)